# Altium PCB DevKITV3.PcbDoc (part 1 of 5) (continued)
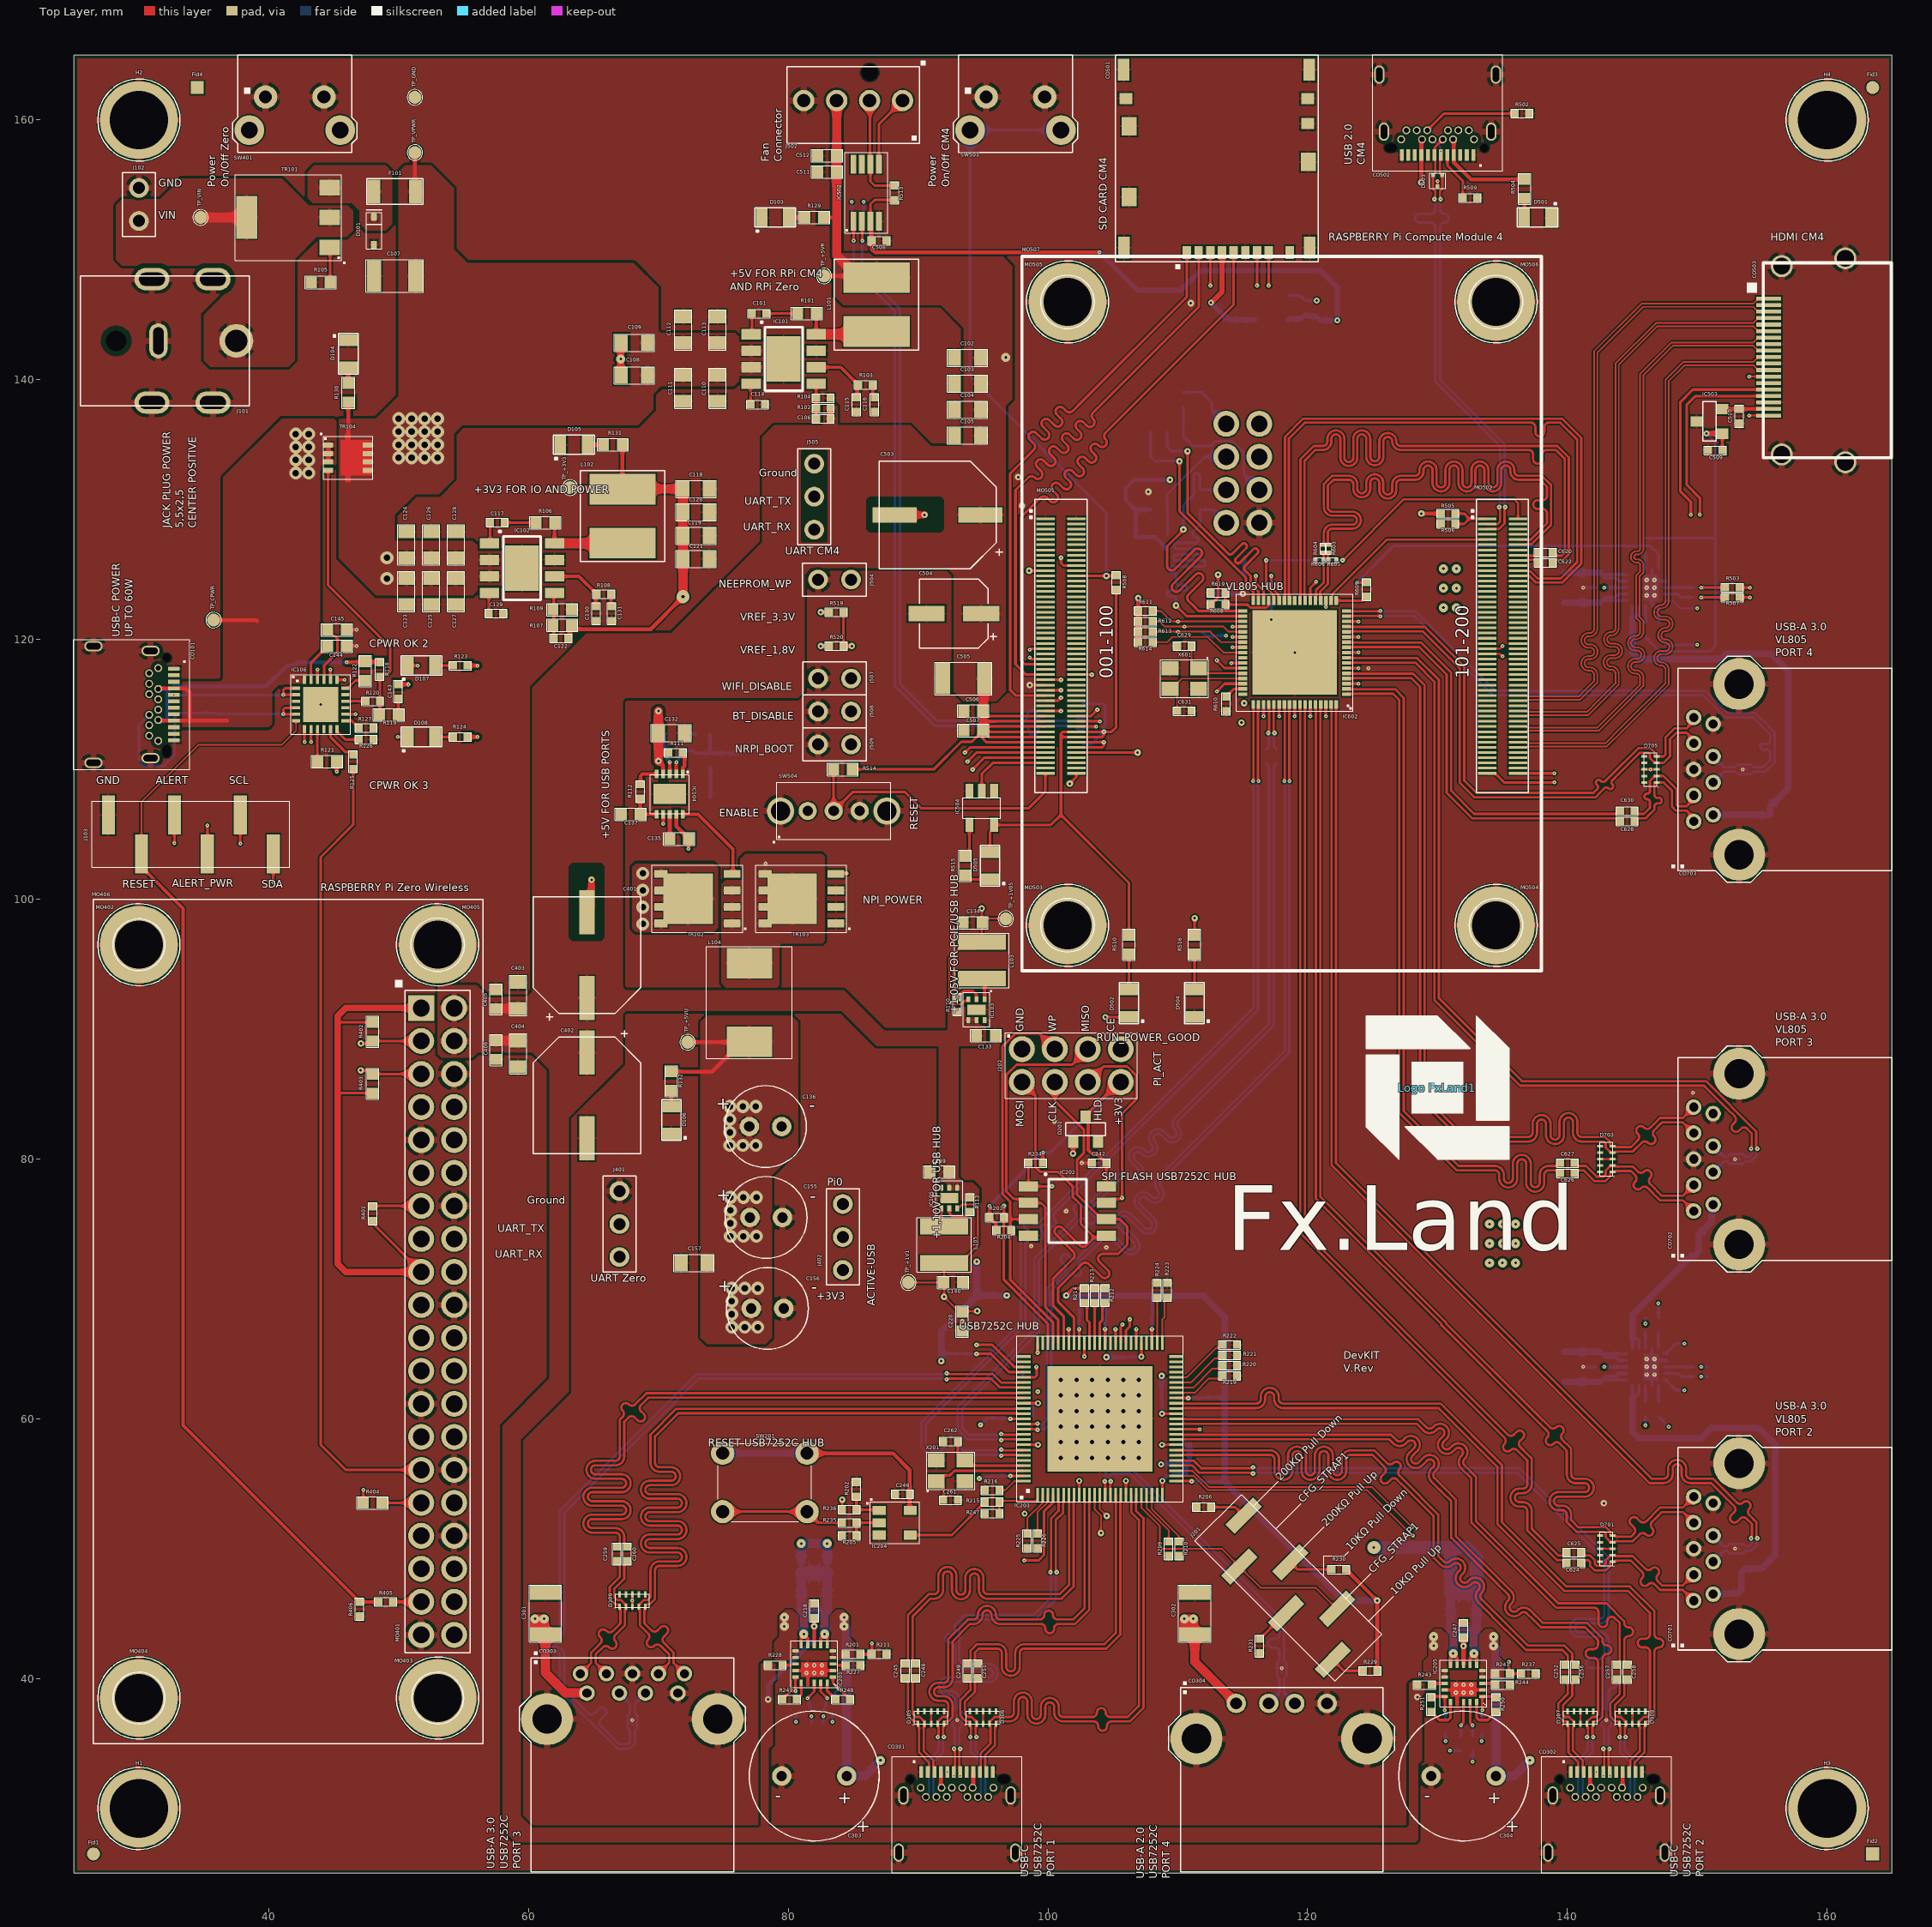
[diagram p0: Top Layer view]
## Classes and differential pairs (continued)
differential pair TD2: +TD2_P -TD2_N
differential pair TD1: +TD1_P -TD1_N
differential pair TD0: +TD0_P -TD0_N
differential pair CK: +CK_P -CK_N

## Components (designator, comment, footprint, x,y, rotation, side; value= is the part's Value field where it differs from the comment)
1 "QR code" QR_FXLAND_1 67,140 r0 bottom locked
C101 "100nF" C0402 77.75,145.1 r180 top locked
C102 "10µF" C0805 93.8,141.7 r180 top locked
C103 "10µF" C0805 93.8,139.7 r180 top locked
C104 "10µF" C0805 93.8,137.7 r180 top locked
C105 "10µF" C0805 93.8,135.7 r180 top locked
C106 "1nF" C0402 82.7,137 r180 top locked
C107 "10µF" C1210 49.7,148 r180 top locked
C108 "10µF" C0805 68.15,140.35 r180 top locked
C109 "10µF" C0805 68.15,142.85 r180 top locked
C110 "10µF" C0805 74.55,139.35 r270 top locked
C111 "10µF" C0805 71.9,139.35 r270 top locked
C112 "10µF" C0805 71.9,143.85 r90 top locked
C113 "10µF" C0805 74.55,143.85 r90 top locked
C114 "100nF" C0402 77.65,138.1 r0 top locked
C115 "1nF" C0402 85.25,138.1 r270 top locked
C116 "1.2nF" C0402 86.65,138.1 r270 top locked
C117 "100nF" C0402 57.6,129 r180 top locked
C118 "10µF" C0805 72.9,131.6 r0 top locked
C119 "10µF" C0805 72.9,128 r0 top locked
C120 "10µF" C0805 72.9,129.8 r0 top locked
C121 "10µF" C0805 72.9,126.2 r0 top locked
C122 "1nF" C0402 62.5,120.1 r180 top locked
C123 "10µF" C0805 50.6,123.7 r270 top locked
C124 "10µF" C0805 50.6,127.3 r90 top locked
C125 "10µF" C0805 52.5,123.7 r270 top locked
C126 "10µF" C0805 52.5,127.3 r90 top locked
C127 "10µF" C0805 54.4,123.7 r270 top locked
C128 "10µF" C0805 54.4,127.3 r90 top locked
C129 "100nF" C0402 57.5,122 r0 top locked
C130 "56pF" C0402 65.2,122 r270 top locked
C131 "2.7nF" C0402 66.4,122 r270 top locked
C132 "100nF" C0805 71,112.8 r0 top locked
C133 "10µF" C0603 95.225,89.5 r0 top locked
C134 "10µF" C0603 94.2,98.2 r180 top locked
C135 "330nF" C0603 71.6,104.65 r0 top locked
C136 "100µF" RL_6.3_2.5_11 78.25,82.5 r0 top locked
C137 "4.7µF" C0603 67.875,106.55 r180 top locked
C138 "3.9nF" C0402 71.1,112.7 r0 bottom locked
C139 "10µF" C0603 91.65,79 r180 top locked
C140 "10µF" C0603 92.7,70.5 r0 top locked
C141 "33pF" C0402 71.1,111.45 r0 bottom locked
C142 "680pF" C0402 74,110.7 r270 bottom locked
C143 "100nF" C0402 49.975,116 r90 top locked
C144 "1µF" C0603 45.25,119.5 r0 top locked
C145 "1µF" C0603 45.25,120.75 r0 top locked
C151 "10µF" C1210 65.5,106 r180 bottom locked
C152 "10µF" C1210 65.5,103 r180 bottom locked
C153 "10µF" C1210 65.5,100 r180 bottom locked
C154 "100nF" C0805 66.1,97.5 r180 bottom locked
C155 "100µF" RL_6.3_2.5_11 78.3,75.5 r0 top locked
C156 "100µF" RL_6.3_2.5_11 78.4,68.5 r0 top locked
C157 "100nF" C0805 72.75,72 r180 top locked
C201 "4.7µF" C0603 94,70 r135 bottom locked
C202 "100nF" C0402 112.8,54.6 r270 bottom locked
C203 "1nF" C0402 112,54.6 r270 bottom locked
C204 "100nF" C0402 112.8,61.1 r270 bottom locked
C205 "1nF" C0402 112,61.1 r270 bottom locked
C206 "100nF" C0402 108.6,68.7 r0 bottom locked
C207 "1nF" C0402 108.6,67.9 r0 bottom locked
C208 "100nF" C0402 105,68.7 r0 bottom locked
C209 "1nF" C0402 105,67.9 r0 bottom locked
C210 "100nF" C0402 103,68.7 r0 bottom locked
C211 "1nF" C0402 103,67.9 r0 bottom locked
C212 "100nF" C0402 92.6,65.575 r90 bottom locked
C213 "1nF" C0402 93.4,65.575 r90 bottom locked
C214 "100nF" C0402 95.3,60.6 r90 bottom locked
C215 "1nF" C0402 96.1,60.6 r90 bottom locked
C216 "100nF" C0402 95.3,55 r270 bottom locked
C217 "1nF" C0402 96.1,55 r270 bottom locked
C218 "100nF" C0402 82,45.225 r90 top locked
C219 "47µF" C1210 84.6,48.125 r0 bottom locked
C220 "4.7µF" C0603 93.4,67.5 r270 top locked
C221 "100nF" C0402 100.5,54.7 r270 bottom locked
C222 "1nF" C0402 101.5,54.7 r270 bottom locked
C223 "100nF" C0402 110.6,55.2 r270 bottom locked
C224 "1nF" C0402 109.6,55.2 r270 bottom locked
C225 "100nF" C0402 110.9,58.6 r90 bottom locked
C226 "1nF" C0402 110,58.6 r90 bottom locked
C227 "100nF" C0402 109.3,62.6 r0 bottom locked
C228 "1nF" C0402 109.3,61.6 r0 bottom locked
C229 "100nF" C0402 105.2,65.3 r90 bottom locked
C230 "1nF" C0402 106.2,65.3 r90 bottom locked
C231 "100nF" C0402 95.1,67.6 r0 bottom locked
C232 "1nF" C0402 95.1,66.6 r0 bottom locked
C233 "100nF" C0402 98.3,60.3 r180 bottom locked
C234 "1nF" C0402 98.3,61.2 r180 bottom locked
C235 "100nF" C0402 98.6,56.2 r180 bottom locked
C236 "1nF" C0402 98.6,57.2 r180 bottom locked
C237 "100nF" C0402 105.4,53.2 r180 bottom locked
C238 "1nF" C0402 105.4,54.2 r180 bottom locked
C239 "47µF" C1210 84.6,45.125 r0 bottom locked
C240 "47µF" C1210 79.4,48.125 r180 bottom locked
C241 "47µF" C1210 79.4,45.125 r180 bottom locked
C242 "100nF" C0402 103.95,79.7 r180 top locked
C243 "100nF" C0402 117.6,111 r90 bottom locked
C244 "100nF" C0402 116.8,111 r90 bottom locked
C245 "100nF" C0402 89,40.6 r270 top locked
C246 "100nF" C0402 88.8,54.2 r180 top locked
C247 "100nF" C0402 132,43.725 r90 top locked
C248 "100nF" C0402 89.8,40.6 r270 top locked
C249 "100nF" C0402 93.8,40.6 r270 top locked
C250 "47µF" C1210 134.6,46.625 r0 bottom locked
C251 "100nF" C0402 94.6,40.6 r270 top locked
C252 "100nF" C0402 139.8,40.5 r270 top locked
C253 "47µF" C1210 129.4,46.625 r180 bottom locked
C254 "47µF" C1210 129.4,43.625 r180 bottom locked
C255 "47µF" C1210 134.6,43.625 r0 bottom locked
C256 "100nF" C0402 140.6,40.5 r270 top locked
C257 "100nF" C0402 143.8,40.5 r270 top locked
C258 "100nF" C0402 144.6,40.5 r270 top locked
C259 "100nF" C0402 66.8,49.6 r270 top locked
C260 "100nF" C0402 67.6,49.6 r270 top locked
C261 "12pF" C0402 92.5,53.75 r180 top locked
C262 "12pF" C0402 92.5,58.25 r180 top locked
C301 "47µF" C1210 61.3,45 r90 top locked
C302 "47µF" C1210 111.3,45 r90 top locked
C303 "150µF" RL_10_5_12.5 82,32.5 r180 top locked
C304 "150µF" RL_10_5_12.5 132,32.5 r180 top locked
C401 "330µF" EC_E7 64.5,95.7 r90 top locked
C402 "330µF" EC_E7 64.5,84.905 r270 top locked
C403 "10µF" C0805 59.2,92.6 r90 top locked
C404 "10µF" C0805 59.2,88.1 r270 top locked
C405 "1µF" C0603 57.5,92.3 r90 top locked
C406 "1µF" C0603 57.5,88.4 r270 top locked
C501 "10µF" C0603 120.925,143.9 r270 bottom locked
C502 "10µF" C0603 113.95,145.375 r90 bottom locked
C503 "330µF" EC_E7 91.5,129.6 r180 top locked
C504 "100µF" EC_B6 92.75,122 r180 top locked
C505 "47µF" C1210 93.5,117 r180 top locked
C506 "10µF" C0603 94.25,114.5 r180 top locked
C507 "1µF" C0603 94.25,113 r180 top locked
C508 "100nF" C0402 87,150.7 r0 top locked
C509 "100nF" C0402 151.375,134.575 r180 top locked
C510 "100nF" C0402 153.225,137.2 r270 top locked
C511 "10µF" C0603 83,156 r180 top locked
C512 "1µF" C0603 83,157.25 r180 top locked
C601 "100nF" C0402 106.75,130.55 r90 bottom locked
C602 "10µF" C0603 114.4,126.3 r180 bottom locked
C603 "1µF" C0603 111.8,119.9 r90 bottom locked
C604 "100nF" C0402 114.6,124.9 r180 bottom locked
C605 "100nF" C0402 113,119.7 r90 bottom locked
C606 "100nF" C0402 117.8,115.5 r90 bottom locked
C607 "100nF" C0402 122.5,117.8 r180 bottom locked
C608 "100nF" C0402 121.2,115.5 r90 bottom locked
C609 "100nF" C0402 122.5,121.4 r180 bottom locked
C610 "10µF" C0603 112.5,122.8 r90 bottom locked
C611 "1µF" C0603 113.7,122.8 r90 bottom locked
C612 "100nF" C0402 122.5,119 r180 bottom locked
C613 "100nF" C0402 117.2,123.4 r270 bottom locked
C614 "100nF" C0402 115.5,118.2 r0 bottom locked
C615 "100nF" C0402 119,115.5 r90 bottom locked
C616 "100nF" C0402 116.6,115.5 r90 bottom locked
C617 "100nF" C0402 120.2,115.5 r90 bottom locked
C618 "100nF" C0402 122.5,116.6 r180 bottom locked
C619 "100nF" C0402 122.5,120.2 r180 bottom locked
C620 "100nF" C0402 138.3,126.7 r0 top locked
C621 "100nF" C0402 92.6,57 r0 bottom locked
C622 "100nF" C0402 138.3,125.9 r0 top locked
C623 "100nF" C0402 92.6,57.8 r0 bottom locked
C624 "100nF" C0402 140.5,48.9 r0 top locked
C625 "100nF" C0402 140.5,49.7 r0 top locked
C626 "100nF" C0402 140,78.9 r0 top locked
C627 "100nF" C0402 140,79.7 r0 top locked
C628 "100nF" C0402 144.6,106 r0 top locked
C629 "12pF" C0402 110.5,119.5 r0 top locked
C630 "100nF" C0402 144.6,106.8 r0 top locked
C631 "12pF" C0402 110.5,114.5 r0 top locked
C632 "100nF" C0402 142.75,64 r180 bottom locked
C633 "47µF" C1210 139.75,61.25 r270 bottom locked
C634 "47µF" C1210 142.5,61.25 r270 bottom locked
C635 "47µF" C1210 139.75,66.75 r90 bottom locked
C636 "47µF" C1210 142.5,66.75 r90 bottom locked
C637 "100nF" C0402 142.75,124 r180 bottom locked
C638 "47µF" C1210 139.75,126.75 r90 bottom locked
C639 "47µF" C1210 139.75,121.25 r270 bottom locked
C640 "47µF" C1210 142.5,126.75 r90 bottom locked
C641 "47µF" C1210 142.5,121.25 r270 bottom locked
C701 "47µF" C1210 155,47.5 r0 bottom locked
C702 "47µF" C1210 148.5,73.5 r180 bottom locked
C703 "47µF" C1210 157.2,106.5 r0 bottom
CO101 "USB4056" USB4056-03-A 26.5,115 r270 top locked
CO301 "USB4056" USB4056-03-A 93,26.6 r0 top locked
CO302 "USB4056" USB4056-03-A 143,26.6 r0 top locked
CO303 "USB1135" USB1135-15-9-L-B 68,25.1 r0 top locked
CO304 "USB1130" USB1130-15-A 118,25.1 r0 top locked
CO501 "µSD-Card" 693071030811 113,156.6 r180 top locked
CO502 "USB4056" USB4056-03-A 130,163.5 r180 top locked
CO503 "HDMI" HDMI 155.5,141.5 r90 top locked
CO701 "USB1135" USB1135-15-9-L-B 165,50 r90 top locked
CO702 "USB1135" USB1135-15-9-L-B 165,80 r90 top locked
CO703 "USB1135" USB1135-15-9-L-B 165,110 r90 top locked
D101 "36V" SOD-323 48.1,151.475 r90 top locked
D102 "TVS" SOT-323 34.8,115 r90 bottom locked
D103 "Led Green" Led0805 79,152.5 r180 top locked
D104 "Led Green" Led0805 46.125,142 r90 top locked
D105 "Led Green" Led0805 63.5,135 r180 top locked
D106 "Led Green" Led0805 71,83 r270 top locked
D107 "Led Green" Led0805 51.75,118 r180 top locked
D108 "Led Green" Led0805 51.75,112.5 r180 top locked
D201 "BAS16" SOT-23 102.9,82.3 r180 top locked
D301 "TVS" SOT-3 93,36.8 r180 bottom locked
D302 "TVS" SOT-3 143,36.8 r180 bottom locked
D303 "TVS" SOT-3 68,36.8 r0 bottom locked
D304 "TVS" SOT-3 118,40.8 r0 bottom locked
D305 "TVS" SOT-1176-1 91,37 r0 top locked
D306 "TVS" SOT-1176-1 95,37 r0 top locked
D307 "TVS" SOT-1176-1 141,37 r0 top locked
D308 "TVS" SOT-1176-1 145,37 r0 top locked
D309 "TVS" SOT-1176-1 68,46 r0 top locked
D501 "Led Green" Led0805 137.7,152.5 r0 top locked
D502 "Led Green" Led0805 106.235,92 r270 top locked
D503 "TVS" SOT-3 130,155.325 r180 top locked
D504 "Led Green" Led0805 111.275,92 r270 top locked
D505 "Led Green" Led0805 95.535,102.585 r270 top locked
D601 "BAS16" SOT-23 106.75,126.9 r0 bottom locked
D701 "TVS" SOT-1176-1 143,50 r90 top locked
D702 "TVS" SOT-3 152.9,50 r90 bottom locked
D703 "TVS" SOT-1176-1 143,80 r90 top locked
D704 "TVS" SOT-3 152.9,80 r90 bottom locked
D705 "TVS" SOT-1176-1 146.4,110 r90 top locked
D706 "TVS" SOT-3 153.5,110 r90 bottom locked
F101 "10A" F1206 49.7,154.5 r0 top locked
Fid1 "Fiducial" FidR_1.0mm 26.5,26.5 r0 top locked
Fid2 "Fiducial" FidS_1.0mm 163.5,26.5 r0 top locked
Fid3 "Fiducial" FidR_1.0mm 163.5,162.5 r0 top locked
Fid4 "Fiducial" FidS_1.0mm 34.5,162.5 r0 top locked
Fid5 "Fiducial" FidS_1.0mm 26.5,26.5 r180 bottom locked
Fid6 "Fiducial" FidR_1.0mm 163.5,26.5 r180 bottom locked
Fid7 "Fiducial" FidS_1.0mm 163.5,162.5 r180 bottom locked
Fid8 "Fiducial" FidR_1.0mm 34.5,162.5 r180 bottom locked
H1 "Hole M4" HOLE_M4 30,30 r0 top locked
H2 "Hole M4" HOLE_M4 30,160 r0 top locked
H3 "Hole M4" HOLE_M4 160,30 r0 top locked
H4 "Hole M4" HOLE_M4 160,160 r0 top locked
IC101 "AP64501SP-13" SO-8-EP 79.65,141.6 r270 top locked
IC102 "AP64501SP-13" SO-8-EP 59.5,125.5 r270 top locked
IC103 "HL7504" DFN-6G_2X2 94.5,91.5 r180 top locked
IC104 "MCP19035" DFN-10G_3X3 70.875,108.1 r180 top locked
IC105 "HL7504" DFN-6G_2X2 92.4,77 r0 top locked
IC106 "STUSB4500" QFN-24G_4X4 44,115 r0 top locked
IC201 "UCS2114" VQFN-20_3X3 82,41.125 r180 top locked
IC202 "SST26VF016B" SO-8 101.5,76 r270 top locked
IC203 "USB7252C" VQFN-100G_12X12 104,60 r90 top locked
IC204 "MC74HC1G02" TSOP-5 88.2,52 r270 top locked
IC205 "UCS2114" VQFN-20_3X3 132,39.625 r180 top locked
IC501 "RT9742" SOT-23-5 117.2,145.55 r90 bottom locked
IC502 "EMC2301" MSOP-8_3X3 86,154.4 r0 top locked
IC503 "RT9742" SOT-23 150.925,136.8 r270 top locked
IC504 "SN74LVC1G07D" SOT-23-5 94.9,107.03 r180 top locked
IC601 "AT25SF321B" SO-8 109.8,133 r0 bottom locked
IC602 "VL805" QFN-68G_8X8 119,119 r180 top locked
IC603 "UCS2114" VQFN-20_3X3 146,64 r90 bottom locked
IC604 "UCS2114" VQFN-20_3X3 146,124 r90 bottom locked
J101 "DC Jack" PJ-082BH 32,143 r0 top locked
J102 "Header" 1X2P_2.54mm 30,153.5 r90 top locked
J103 "Header" 1X6P_2.54MM_SMT 34,105 r180 top locked
J201 "Header" 1X6P_2.54MM_SMT 118.5,47 r135 top locked
J202 "SPI" SPI_PROG_TYPE1 101.8,87.2 r0 top locked
J401 "Header" 1X3P_2.54mm 67,75 r90 top locked
J402 "Header" 1X3P_2.54mm 84.2,74 r90 top locked
J502 "Fan Connector" 470531000 85,161.5 r180 top locked
J504 "Header" 1X2P_2.54mm 83.565,124.62 r180 top locked
J505 "Header" 1X3P_2.54mm 82,131 r90 top locked
J507 "Header" 1X2P_2.54mm 83.565,117 r0 top locked
J508 "Header" 1X2P_2.54mm 83.565,114.46 r0 top locked
J509 "Header" 1X2P_2.54mm 83.565,111.92 r0 top locked
J601 "SPI" SPI_PROG_TYPE1 115,132.8 r90 bottom locked
L101 "3.3µH 5A" SRN6045TA 86.8,145.8 r90 top locked
L102 "3.3µH 5A" SRN6045TA 67.25,129.5 r90 top locked
L103 "2.2µH 3A" NRS4018 94.9,95.3 r90 top locked
L104 "1.5µH 14.4A" 0630CDMCDDS 77,92.05 r270 top locked
L105 "2.2µH 3A" NRS4018 92,73.4 r270 top locked
"Logo FxLand1" "FxLand" Logo_FxLand_3 130,85.5 r0 top locked
MO401 "ZeroW-1" RPIZeroW_HeaderPins 41.5,67.5 r270 top locked
MO402 "ZeroW-M" CM4-M 30,96.5 r0 top locked
MO403 "ZeroW-M" CM4-M 53,38.5 r0 top locked
MO404 "ZeroW-M" CM4-M 30,38.5 r0 top locked
MO405 "ZeroW-M" CM4-M 53,96.5 r0 top locked
MO406 "ZeroW" RPIZEROW_LAYOUT_HEIGHTENED 41.5,67.5 r270 top locked
MO501 "CM4-1" CM4_001-100 101,119.5 r90 top locked
MO502 "CM4-2" CM4_101-200 135,119.5 r90 top locked
MO503 "CM4-M" CM4-M 101.5,98 r0 top locked
MO504 "CM4-M" CM4-M 134.5,98 r0 top locked
MO505 "CM4-M" CM4-M 101.5,146 r0 top locked
MO506 "CM4-M" CM4-M 134.5,146 r0 top locked
MO507 "CM4" RPICM4_Layout 118,122 r90 top locked
R101 "100Ω" R0603 81.45,145.1 r0 top locked
R102 "12KΩ" R0402 82.7,137.8 r0 top locked
R103 "20KΩ" R0402 85.95,139.6 r180 top locked
R104 "2.2KΩ" R0402 82.7,138.6 r180 top locked
R105 "100Ω" R0603 44,147.5 r0 top locked
R106 "100Ω" R0603 61.3,129 r0 top locked
R107 "69.8KΩ" R0603 62.6,121.1 r0 top locked
R108 "10.5K" R0402 65.8,123.5 r180 top locked
R109 "22.1KΩ" R0603 62.6,122.3 r180 top locked
R110 "1MΩ" R0402 93,91.9 r90 top locked
R111 "100KΩ" R0402 71.325,111.3 r0 top locked
R112 "100KΩ" R0402 68.6,108.3 r90 top locked
R113 "1MΩ" R0402 94,76.5 r270 top locked
R114 "8.2KΩ" R0402 73.4,112.7 r180 bottom locked
R115 "20KΩ" R0402 75.2,110.7 r270 bottom locked
R116 "750Ω" R0402 74.575,107.85 r0 bottom locked
R117 "2.7KΩ" R0402 76.3,110.7 r90 bottom locked
R118 "100KΩ" R0402 48.55,117.7 r90 top locked
R119 "100Ω" R0603 49.25,114.2 r0 top locked
R120 "22KΩ" R0402 48,115.25 r0 top locked
R121 "1KΩ" R0603 44.5,110.6 r0 top locked
R122 "1KΩ" R0603 47.425,117.575 r270 top locked
R123 "1KΩ" R0402 54.75,118 r0 top locked
R124 "1KΩ" R0402 54.75,112.5 r0 top locked
R125 "10KΩ" R0402 46.5,110.6 r270 top locked
R126 "100KΩ" R0402 47.5,112.3 r180 top locked
R127 "100KΩ" R0402 47.5,113.2 r180 top locked
R129 "150Ω" R0603 82,152.5 r180 top locked
R130 "1KΩ" R0603 46.125,139 r90 top locked
R131 "50Ω" R0603 66.5,135 r180 top locked
R132 "150Ω" R0603 71,86 r270 top locked
R201 "43KΩ" R0402 85,41.875 r0 top locked
R202 "100KΩ" R0402 85.25,54.575 r270 top locked
R203 "10KΩ" R0402 96.05,75.5 r180 top locked
R204 "10KΩ" R0402 96.6,74.5 r180 top locked
R205 "100KΩ" R0402 84.7,51 r0 top locked
R206 "200KΩ" R0402 112,53.2 r180 top locked
R209 "200KΩ" R0402 109.3,50 r90 top locked
R210 "200KΩ" R0402 110.1,50 r90 top locked
R211 "49.9KΩ" R0402 87,41.875 r180 top locked
R212 "10KΩ" R0402 104.4,69.5 r270 top locked
R213 "10KΩ" R0402 103.6,69.5 r270 top locked
R214 "10KΩ" R0402 102.8,69.5 r270 top locked
R215 "10KΩ" R0402 95.7,53.6 r0 top locked
R216 "12KΩ" R0402 95.7,54.5 r0 top locked
R217 "5.1kΩ" R0402 99,62.65 r270 bottom locked
R218 "22.1KΩ" R0603 97.8,62.9 r90 bottom locked
R219 "200KΩ" R0402 114,63.3 r180 top locked
R220 "200KΩ" R0402 114,64.1 r180 top locked
R221 "200KΩ" R0402 114,64.9 r180 top locked
R222 "200KΩ" R0402 114,65.7 r180 top locked
R223 "200KΩ" R0402 109.2,69.9 r270 top locked
R224 "200KΩ" R0402 108.4,69.9 r270 top locked
R225 "200KΩ" R0402 98.4,50.6 r90 top locked
R226 "200KΩ" R0402 99.2,50.6 r90 top locked
R227 "33KΩ" R0402 85,41.025 r180 top locked
R228 "10KΩ" R0402 79,41.025 r180 top locked
R229 "10KΩ" R0402 124.8,40.6 r0 top locked
R230 "200KΩ" R0402 122.4,48.4 r180 top locked
R231 "10KΩ" R0402 116.3,42.5 r90 top locked
R232 "0Ω" R0402 83.6,37.825 r270 bottom locked
R233 "0Ω" R0402 80.6,37.825 r270 bottom locked
R234 "10KΩ" R0402 99.05,79.7 r0 top locked
R235 "10KΩ" R0402 84.7,52 r180 top locked
R236 "10KΩ" R0402 84.7,53 r180 top locked
R237 "43KΩ" R0402 135,40.375 r0 top locked
R238 "0Ω" R0402 81.8,37.1 r90 bottom locked
R239 "0Ω" R0402 133.6,36.325 r270 bottom locked
R240 "0Ω" R0402 82.7,37.1 r90 bottom locked
R241 "49.9KΩ" R0402 137,40.375 r180 top locked
R242 "0Ω" R0402 130.6,36.325 r270 bottom locked
R243 "10KΩ" R0402 129,39.525 r180 top locked
R244 "33KΩ" R0402 135,39.525 r180 top locked
R245 "0Ω" R0402 131.8,35 r90 bottom locked
R246 "0Ω" R0402 132.7,35 r90 bottom locked
R247 "100KΩ" R0402 95.7,52.7 r0 top locked
R248 "0Ω" R0402 84.2,38.4 r0 top locked
R249 "0Ω" R0402 80.1,38.4 r180 top locked
R250 "0Ω" R0402 134.5,38 r90 top locked
R251 "0Ω" R0402 129.5,38 r90 top locked
R401 "10KΩ" R0402 48,75.8 r270 top locked
R402 "4.7KΩ" R0603 48,89.8 r270 top locked
R403 "4.7KΩ" R0603 48,85.8 r90 top locked
R404 "4.7KΩ" R0603 48,53.53 r0 top locked
R405 "10KΩ" R0402 49,45.9 r0 top locked
R406 "100KΩ" R0402 47,45.35 r90 top locked
R501 "12KΩ" R0402 119.8,145.55 r90 bottom locked
R502 "5.1kΩ" R0402 136.5,160.5 r180 top locked
R503 "0Ω" R0402 152.7,124 r0 top locked
R504 "150Ω" R0603 136.7,154.7 r270 top locked
R505 "2.2KΩ" R0402 130.8,129.7 r180 top locked
R506 "2.2KΩ" R0402 130.8,128.9 r0 top locked
R507 "0Ω" R0402 152.7,123.25 r0 top locked
R508 "10KΩ" R0402 105.25,124.4 r270 top locked
R509 "5.1kΩ" R0402 132.5,154 r180 top locked
R510 "150Ω" R0603 106.235,96.5 r90 top locked
R511 "2.2KΩ" R0402 102.7,114.5 r270 bottom locked
R512 "2.2KΩ" R0402 102.7,112.5 r90 bottom locked
R513 "36KΩ" R0402 88.2,154.4 r270 top locked
R514 "10KΩ" R0603 84.2,110 r0 top locked
R515 "150Ω" R0603 93.63,102.585 r270 top locked
R516 "150Ω" R0603 111.275,96.5 r270 top locked
R517 "0Ω" R0402 85.8,152.4 r270 bottom locked
R518 "0Ω" R0402 84.9,152.4 r270 bottom locked
R519 "0Ω" R0402 83.7,122.1 r0 top
R520 "0Ω" R0402 83.7,119.5 r0 top
R601 "10KΩ" R0402 110.4,138.5 r270 bottom locked
R602 "10KΩ" R0402 109.2,127.5 r90 bottom locked
R603 "33Ω" R0201 121.625,127 r270 top locked
R604 "33Ω" R0201 121.175,127 r270 top locked
R605 "49.9Ω" R0201 121.9,126.1 r180 top locked
R606 "49.9Ω" R0201 120.9,126.1 r0 top locked
R607 "10KΩ" R0402 119.975,123.95 r90 bottom locked
R608 "10KΩ" R0402 113.1,122.7 r180 top locked
R609 "10KΩ" R0402 124.525,123.85 r270 top locked
R610 "6.04KΩ" R0402 113.725,115.05 r90 top locked
R611 "10KΩ" R0402 107.5,122.2 r0 top locked
R612 "10KΩ" R0402 107.5,121.4 r0 top locked
R613 "10KΩ" R0402 107.5,120.6 r0 top locked
R614 "10KΩ" R0402 107.5,119.8 r0 top locked
R615 "0Ω" R0402 147,60.75 r270 bottom locked
R616 "0Ω" R0402 147,120.75 r270 bottom locked
R617 "0Ω" R0402 150.25,64 r180 bottom locked
R618 "0Ω" R0402 150.25,124 r180 bottom locked
R619 "100KΩ" R0402 113.1,123.6 r0 top locked
R620 "0Ω" R0402 150.25,63.25 r180 bottom locked
R621 "0Ω" R0402 147,67.25 r90 bottom locked
R622 "0Ω" R0402 150.25,123.25 r180 bottom locked
R623 "10KΩ" R0402 146,67.25 r90 bottom locked
R624 "10KΩ" R0402 146,127.25 r90 bottom locked
R625 "0Ω" R0402 146,60.75 r90 bottom locked
R626 "0Ω" R0402 146,120.75 r90 bottom locked
SW201 "TS02" TS02 78.2,55.1 r0 top locked
SW401 "PTS645" PTS645-V 42,160.5 r180 top locked
SW503 "PTS645" PTS645-V 97.5,160.5 r180 top locked
SW504 "OS102011" OS10_Series 83.5,106.8 r0 top locked
TP_+1V1 "TP" TP_1MM 89.25,70.5 r0 top locked
TP_+1V05 "TP" TP_1MM 96.75,98.5 r0 top locked
TP_+3V3 "TP" TP_1MM 63.2,131.7 r0 top locked
TP_+5VR "TP" TP_1MM 82.75,148 r0 top locked
TP_+5VU "TP" TP_1MM 72.25,89 r0 top locked
TP_CPWR "TP" TP_1MM 35.75,121.5 r0 top locked
TP_GND "TP" TP_1MM 51.25,161.75 r0 top locked
TP_VIN "TP" TP_1MM 34.75,152.5 r0 top locked
TP_VPWR "TP" TP_1MM 51.25,157.5 r0 top locked
TR101 "ZVP2106G" SOT-223 41.5,152.5 r90 top locked
TR102 "SiRA24DP" PowerPAK-SO-8_5X6 73,100.05 r90 top locked
TR103 "SiRA12BDP" PowerPAK-SO-8_5X6 81,100.05 r90 top locked
TR104 "STL8P4LLF6" PowerFLAT-3.3x3.3-8 46.1,134 r270 top locked
X201 "25MHz" 403W 92.5,56 r0 top locked
X601 "25MHz" 403W 110.5,117 r180 top locked

## Footprints (in the part's own frame and the unit in brackets; to place one, negate y for a bottom-side part, rotate by r counter-clockwise, add the part's x,y. Pads: shape width x height; smd on the part's side, far side on the other; paste and mask are expansions set on the pad)
1X2P_2.54mm [mil]
  round 60 hole 36.42: 1(-50,0) 2(50,0)
  silkscreen extent -96,-50 97,50, body extent -92,-46 92,46, height 409
1X3P_2.54mm [mil]
  round 60 hole 36.42: 1(-100,0) 2(0,0) 3(100,0)
  silkscreen extent -146,-50 146,50, body extent -142,-46 142,46, height 409
1X6P_2.54MM_SMT [mm]
  rect 1x3 smd: 1(-6.35,1.5) 2(-3.81,-1.5) 3(-1.27,1.5) 4(1.27,-1.5) 5(3.81,1.5) 6(6.35,-1.5)
  silkscreen extent -7.62,-2.54 7.62,2.54, body extent -7.62,-2.5 7.62,2.5, height 11.45
403W [mm]
  rect 1.3x1.1 smd: 1(-1.1,-0.8) 2(1.1,-0.8) 3(1.1,0.8) 4(-1.1,0.8)
  silkscreen extent -1.85,-1.65 1.85,1.45, body extent -1.6,-1.25 1.6,1.25, height 1.2
0630CDMCDDS [mm]
  rect 2.35x3.5 smd: 1(-3.025,0) 2(3.025,0)
  silkscreen extent -4.3,-3.3 4.3,3.3, body extent -3.5,-3.3 3.5,3.3, height 3
470531000 [mm]
  round 1.65 hole 1.05: 1(-3.81,0) 2(-1.27,0) 3(1.27,0) 4(3.81,0)
  round 0 hole 1.3: 5(-1.27,-2.16)
  silkscreen extent -5.6,-3.1 5.1,3.3, body extent -5.1,-2.54 5.1,3.3, height 10
693071030811 [mm]
  rect 0.65x1 smd: 1(2.3,6.8) 2(1.4,6.8) 3(0.5,6.8) 4(-0.4,6.8) 5(-1.3,6.8) 6(-2.2,6.8) 7(-3.1,6.8) 8(-4,6.8) CD(-5.62,6.8)
  rect 0.9x1.7 smd: GND(-7.15,6.425) GND(-7.122,-7.275) GND(7.15,6.425) GND(7.178,-7.284)
  rect 1.13x1.4 smd: GND(-7.05,-0.175) GND(6.75,-2.925) GND(6.75,2.525)
  rect 1x0.85 smd: GND(-7,-5.055) GND(-7,-3.125) GND(7,-5.055)
  silkscreen extent -7.8,-8.4 7.8,8.1, body extent -7.34,-8.3 7.38,7.05, height 1.35
C0402 [mm]
  rect 0.6x0.6 smd paste+0 mask+0: 1(-0.55,0) 2(0.55,0)
  silkscreen extent -0.85,-0.33 0.85,0.33, body extent -0.5,-0.3 0.5,0.3, height 0.5
C0603 [mm]
  rect 0.85x0.9 smd paste+0 mask+0: 1(-0.725,0) 2(0.725,0)
  silkscreen extent -1.2,-0.48 1.2,0.48, body extent -0.8,-0.45 0.8,0.45, height 0.8
C0805 [mm]
  rect 1x1.25 smd paste+0 mask+0: 1(-1,0) 2(1,0)
  silkscreen extent -1.55,-0.66 1.55,0.66, body extent -1,-0.62 1,0.62, height 0.98
C1210 [mm]
  rect 1.1x2.4 smd paste+0 mask+0: 1(-1.6,0) 2(1.6,0)
  silkscreen extent -2.2,-1.25 2.21,1.25, body extent -1.6,-1.1 1.6,1.1, height 2.5
CM4-M [mm]
  round 6 hole 3.7: GND(0,0)
  silkscreen extent -3.16,-3.16 3.17,3.16, body extent -2.55,-2.55 2.55,2.55, height 3
CM4_001-100 [mm]
  rect 0.2x1.43 smd mask+0.05: 1(9.8,1.19) 2(9.8,-1.19) 3(9.4,1.19) 4(9.4,-1.19) 5(9,1.19) 6(9,-1.19) 7(8.6,1.19) 8(8.6,-1.19) 9(8.2,1.19) 10(8.2,-1.19) 11(7.8,1.19) 12(7.8,-1.19) 13(7.4,1.19) 14(7.4,-1.19) 15(7,1.19) 16(7,-1.19) 17(6.6,1.19) 18(6.6,-1.19) 19(6.2,1.19) 20(6.2,-1.19) 21(5.8,1.19) 22(5.8,-1.19) 23(5.4,1.19) 24(5.4,-1.19) 25(5,1.19) 26(5,-1.19) 27(4.6,1.19) 28(4.6,-1.19) 29(4.2,1.19) 30(4.2,-1.19) 31(3.8,1.19) 32(3.8,-1.19) 33(3.4,1.19) 34(3.4,-1.19) 35(3,1.19) 36(3,-1.19) 37(2.6,1.19) 38(2.6,-1.19) 39(2.2,1.19) 40(2.2,-1.19) 41(1.8,1.19) 42(1.8,-1.19) 43(1.4,1.19) 44(1.4,-1.19) 45(1,1.19) 46(1,-1.19) 47(0.6,1.19) 48(0.6,-1.19) 49(0.2,1.19) 50(0.2,-1.19) 51(-0.2,1.19) 52(-0.2,-1.19) 53(-0.6,1.19) 54(-0.6,-1.19) 55(-1,1.19) 56(-1,-1.19) 57(-1.4,1.19) 58(-1.4,-1.19) 59(-1.8,1.19) 60(-1.8,-1.19) 61(-2.2,1.19) 62(-2.2,-1.19) 63(-2.6,1.19) 64(-2.6,-1.19) 65(-3,1.19) 66(-3,-1.19) 67(-3.4,1.19) 68(-3.4,-1.19) 69(-3.8,1.19) 70(-3.8,-1.19) 71(-4.2,1.19) 72(-4.2,-1.19) 73(-4.6,1.19) 74(-4.6,-1.19) 75(-5,1.19) 76(-5,-1.19) 77(-5.4,1.19) 78(-5.4,-1.19) 79(-5.8,1.19) 80(-5.8,-1.19) 81(-6.2,1.19) 82(-6.2,-1.19) 83(-6.6,1.19) 84(-6.6,-1.19) 85(-7,1.19) 86(-7,-1.19) 87(-7.4,1.19) 88(-7.4,-1.19) 89(-7.8,1.19) 90(-7.8,-1.19) 91(-8.2,1.19) 92(-8.2,-1.19) 93(-8.6,1.19) 94(-8.6,-1.19) 95(-9,1.19) 96(-9,-1.19) 97(-9.4,1.19) 98(-9.4,-1.19) 99(-9.8,1.19) 100(-9.8,-1.19)
  silkscreen extent -11.3,-2 11.3,2.4, body extent -11.3,-1.69 11.3,1.69, height 2.9
CM4_101-200 [mm]
  rect 0.2x1.43 smd mask+0.05: 101(9.8,1.19) 102(9.8,-1.19) 103(9.4,1.19) 104(9.4,-1.19) 105(9,1.19) 106(9,-1.19) 107(8.6,1.19) 108(8.6,-1.19) 109(8.2,1.19) 110(8.2,-1.19) 111(7.8,1.19) 112(7.8,-1.19) 113(7.4,1.19) 114(7.4,-1.19) 115(7,1.19) 116(7,-1.19) 117(6.6,1.19) 118(6.6,-1.19) 119(6.2,1.19) 120(6.2,-1.19) 121(5.8,1.19) 122(5.8,-1.19) 123(5.4,1.19) 124(5.4,-1.19) 125(5,1.19) 126(5,-1.19) 127(4.6,1.19) 128(4.6,-1.19) 129(4.2,1.19) 130(4.2,-1.19) 131(3.8,1.19) 132(3.8,-1.19) 133(3.4,1.19) 134(3.4,-1.19) 135(3,1.19) 136(3,-1.19) 137(2.6,1.19) 138(2.6,-1.19) 139(2.2,1.19) 140(2.2,-1.19) 141(1.8,1.19) 142(1.8,-1.19) 143(1.4,1.19) 144(1.4,-1.19) 145(1,1.19) 146(1,-1.19) 147(0.6,1.19) 148(0.6,-1.19) 149(0.2,1.19) 150(0.2,-1.19) 151(-0.2,1.19) 152(-0.2,-1.19) 153(-0.6,1.19) 154(-0.6,-1.19) 155(-1,1.19) 156(-1,-1.19) 157(-1.4,1.19) 158(-1.4,-1.19) 159(-1.8,1.19) 160(-1.8,-1.19) 161(-2.2,1.19) 162(-2.2,-1.19) 163(-2.6,1.19) 164(-2.6,-1.19) 165(-3,1.19) 166(-3,-1.19) 167(-3.4,1.19) 168(-3.4,-1.19) 169(-3.8,1.19) 170(-3.8,-1.19) 171(-4.2,1.19) 172(-4.2,-1.19) 173(-4.6,1.19) 174(-4.6,-1.19) 175(-5,1.19) 176(-5,-1.19) 177(-5.4,1.19) 178(-5.4,-1.19) 179(-5.8,1.19) 180(-5.8,-1.19) 181(-6.2,1.19) 182(-6.2,-1.19) 183(-6.6,1.19) 184(-6.6,-1.19) 185(-7,1.19) 186(-7,-1.19) 187(-7.4,1.19) 188(-7.4,-1.19) 189(-7.8,1.19) 190(-7.8,-1.19) 191(-8.2,1.19) 192(-8.2,-1.19) 193(-8.6,1.19) 194(-8.6,-1.19) 195(-9,1.19) 196(-9,-1.19) 197(-9.4,1.19) 198(-9.4,-1.19) 199(-9.8,1.19) 200(-9.8,-1.19)
  silkscreen extent -11.3,-2 11.3,2.4, body extent -11.3,-1.69 11.3,1.69, height 2.9
DFN-6G_2X2 [mm]
  rect 0.3x0.45 smd: 1(-0.625,-0.8) 2(0,-0.8) 3(0.625,-0.8) 4(0.625,0.8) 5(0,0.8) 6(-0.625,0.8)
  rect 1.4x0.8 smd: 7(0,0)
  silkscreen extent -1.2,-1.5 1.02,1.33, body extent -1,-1.05 1,1.05, height 0.75
DFN-10G_3X3 [mm]
  rect 0.3x0.65 smd: 1(-1,-1.55) 2(-0.5,-1.55) 3(0,-1.55) 4(0.5,-1.55) 5(1,-1.55) 6(1,1.55) 7(0.5,1.55) 8(0,1.55) 9(-0.5,1.55) 10(-1,1.55)
  rect 2.48x1.55 smd: 11(0,0)
  silkscreen extent -1.5,-1.8 1.5,1.5, body extent -1.5,-1.5 1.5,1.5, height 0.8
EC_B6 [mm]
  rect 2.8x1.2 smd: 1(-2.1,0) 2(2.1,0)
  silkscreen extent -3.3,-2.65 2.65,2.65, body extent -3,-2.65 3,2.65, height 5.93
EC_E7 [mm]
  rect 3.4x1.2 smd: 1(-3.3,0) 2(3.3,0)
  silkscreen extent -5,-4.15 4.5,4.15, body extent -4.5,-4.15 4.5,4.15, height 6.9
F1206 [mm]
  rect 1x1.8 smd paste+0 mask+0: 1(-1.6,0) 2(1.6,0)
  silkscreen extent -2.16,-1 2.16,1, body extent -1.7,-0.85 1.7,0.85, height 0.8
FidR_1.0mm [mm]
  round 1 smd: 1(0,0)
FidS_1.0mm [mm]
  rect 1x1 smd: 1(0,0)
HDMI [mm]
  rect 0.3x1.9 smd: 1(4.75,0) 2(4.25,0) 3(3.75,0) 4(3.25,0) 5(2.75,0) 6(2.25,0) 7(1.75,0) 8(1.25,0) 9(0.75,0) 10(0.25,0) 11(-0.25,0) 12(-0.75,0) 13(-1.25,0) 14(-1.75,0) 15(-2.25,0) 16(-2.75,0) 17(-3.25,0) 18(-3.75,0) 19(-4.25,0)
  round 1.7 hole 1.3: 20(-7.85,-5.9) 20(-7.25,-1) 20(7.25,-1) 20(7.85,-5.9)
  silkscreen extent -7.5,-9.43 7.5,1.7, body extent -8.1,-9.55 8.1,0.35, height 6.3
HOLE_M4 [mm]
  round 6 hole 4.5: 1(0,0)
  silkscreen extent -3.16,-3.16 3.17,3.16
Led0805 [mm]
  rect 0.9x1.4 smd paste+0 mask+0: A(-1.05,0) K(1.05,0)
  silkscreen extent -1.57,-0.75 1.57,1.15, body extent -1.03,-0.46 1.03,0.45, height 0.85
Logo_FxLand_3 [mm]
  silkscreen extent -5.5,-5.5 5.5,5.5